# Altium PCB LARIX_V5.PcbDoc (part 1 of 2)
Units mil, origin at the board's own origin, x right, y up, seen from the top; angles counter-clockwise.
Board outline 4291.67 x 4291.67 mil, 4 copper layers (Top, VCC_VDD, PGND_DGND, Bottom), stack 64.961 mil thick; 174 components, 176 nets, 678 pads, 226 vias.
Unrouted connection lines stored in the file: 1.
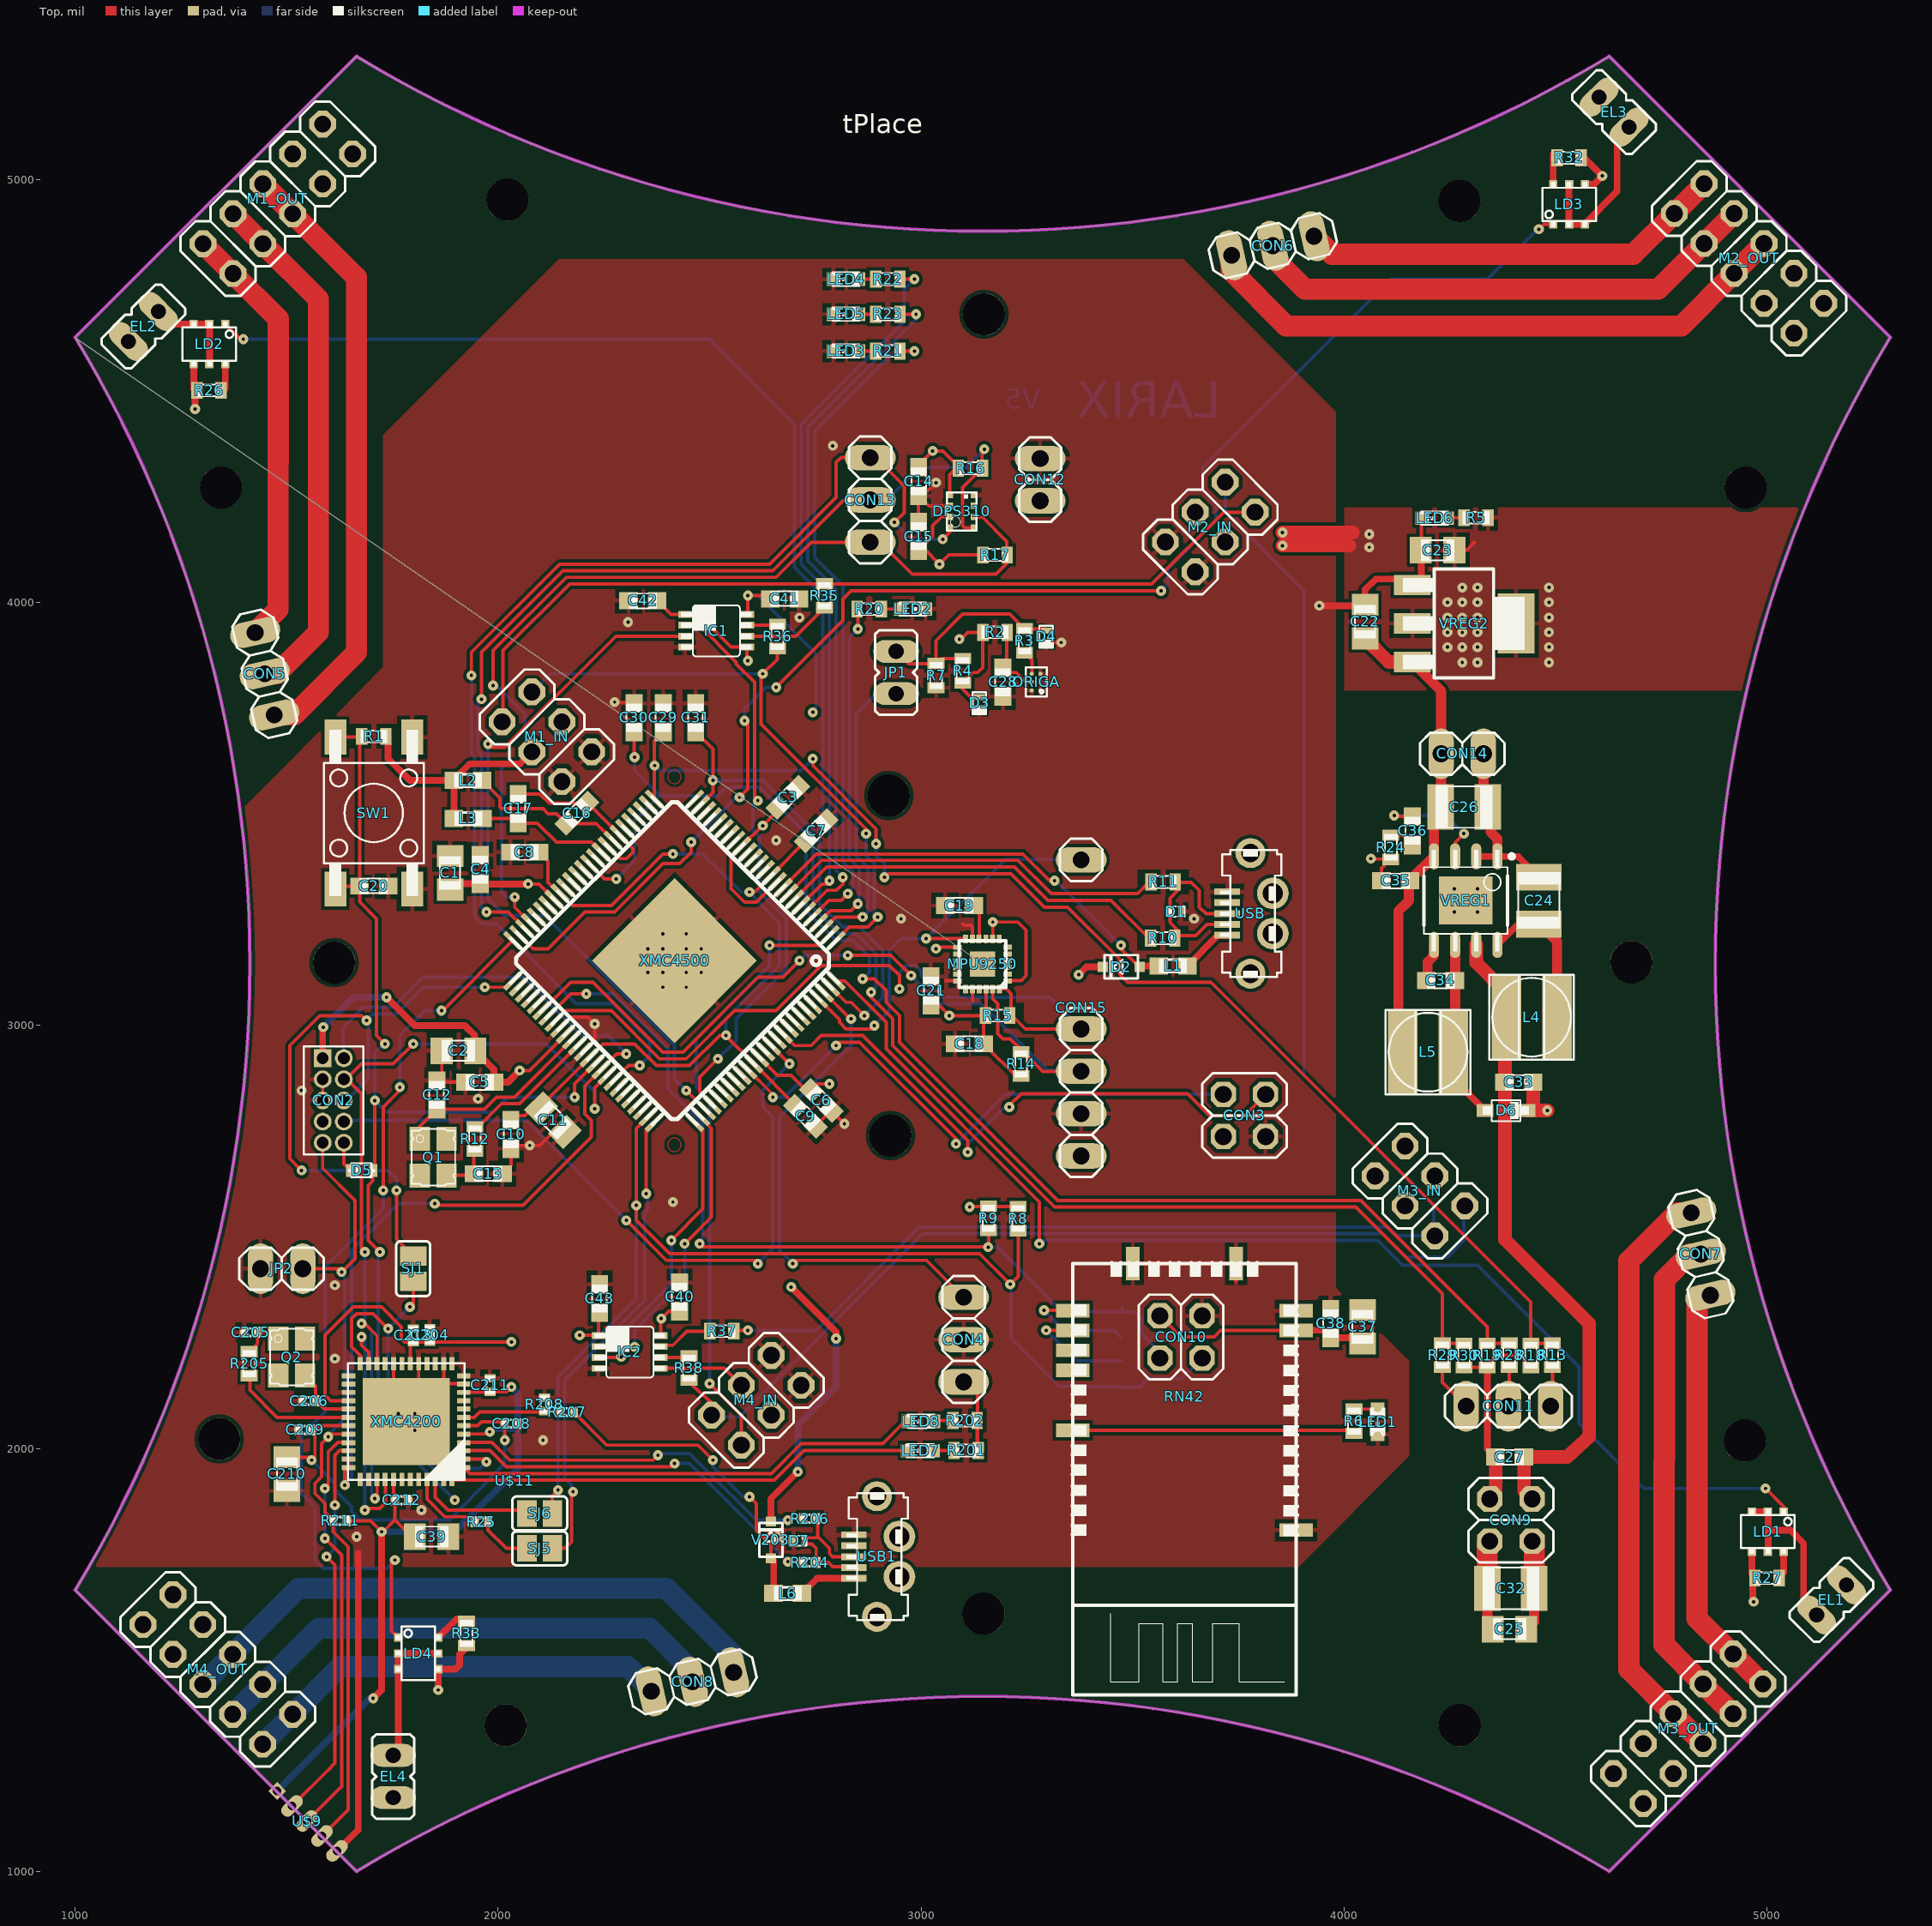
[diagram p0: Top view]
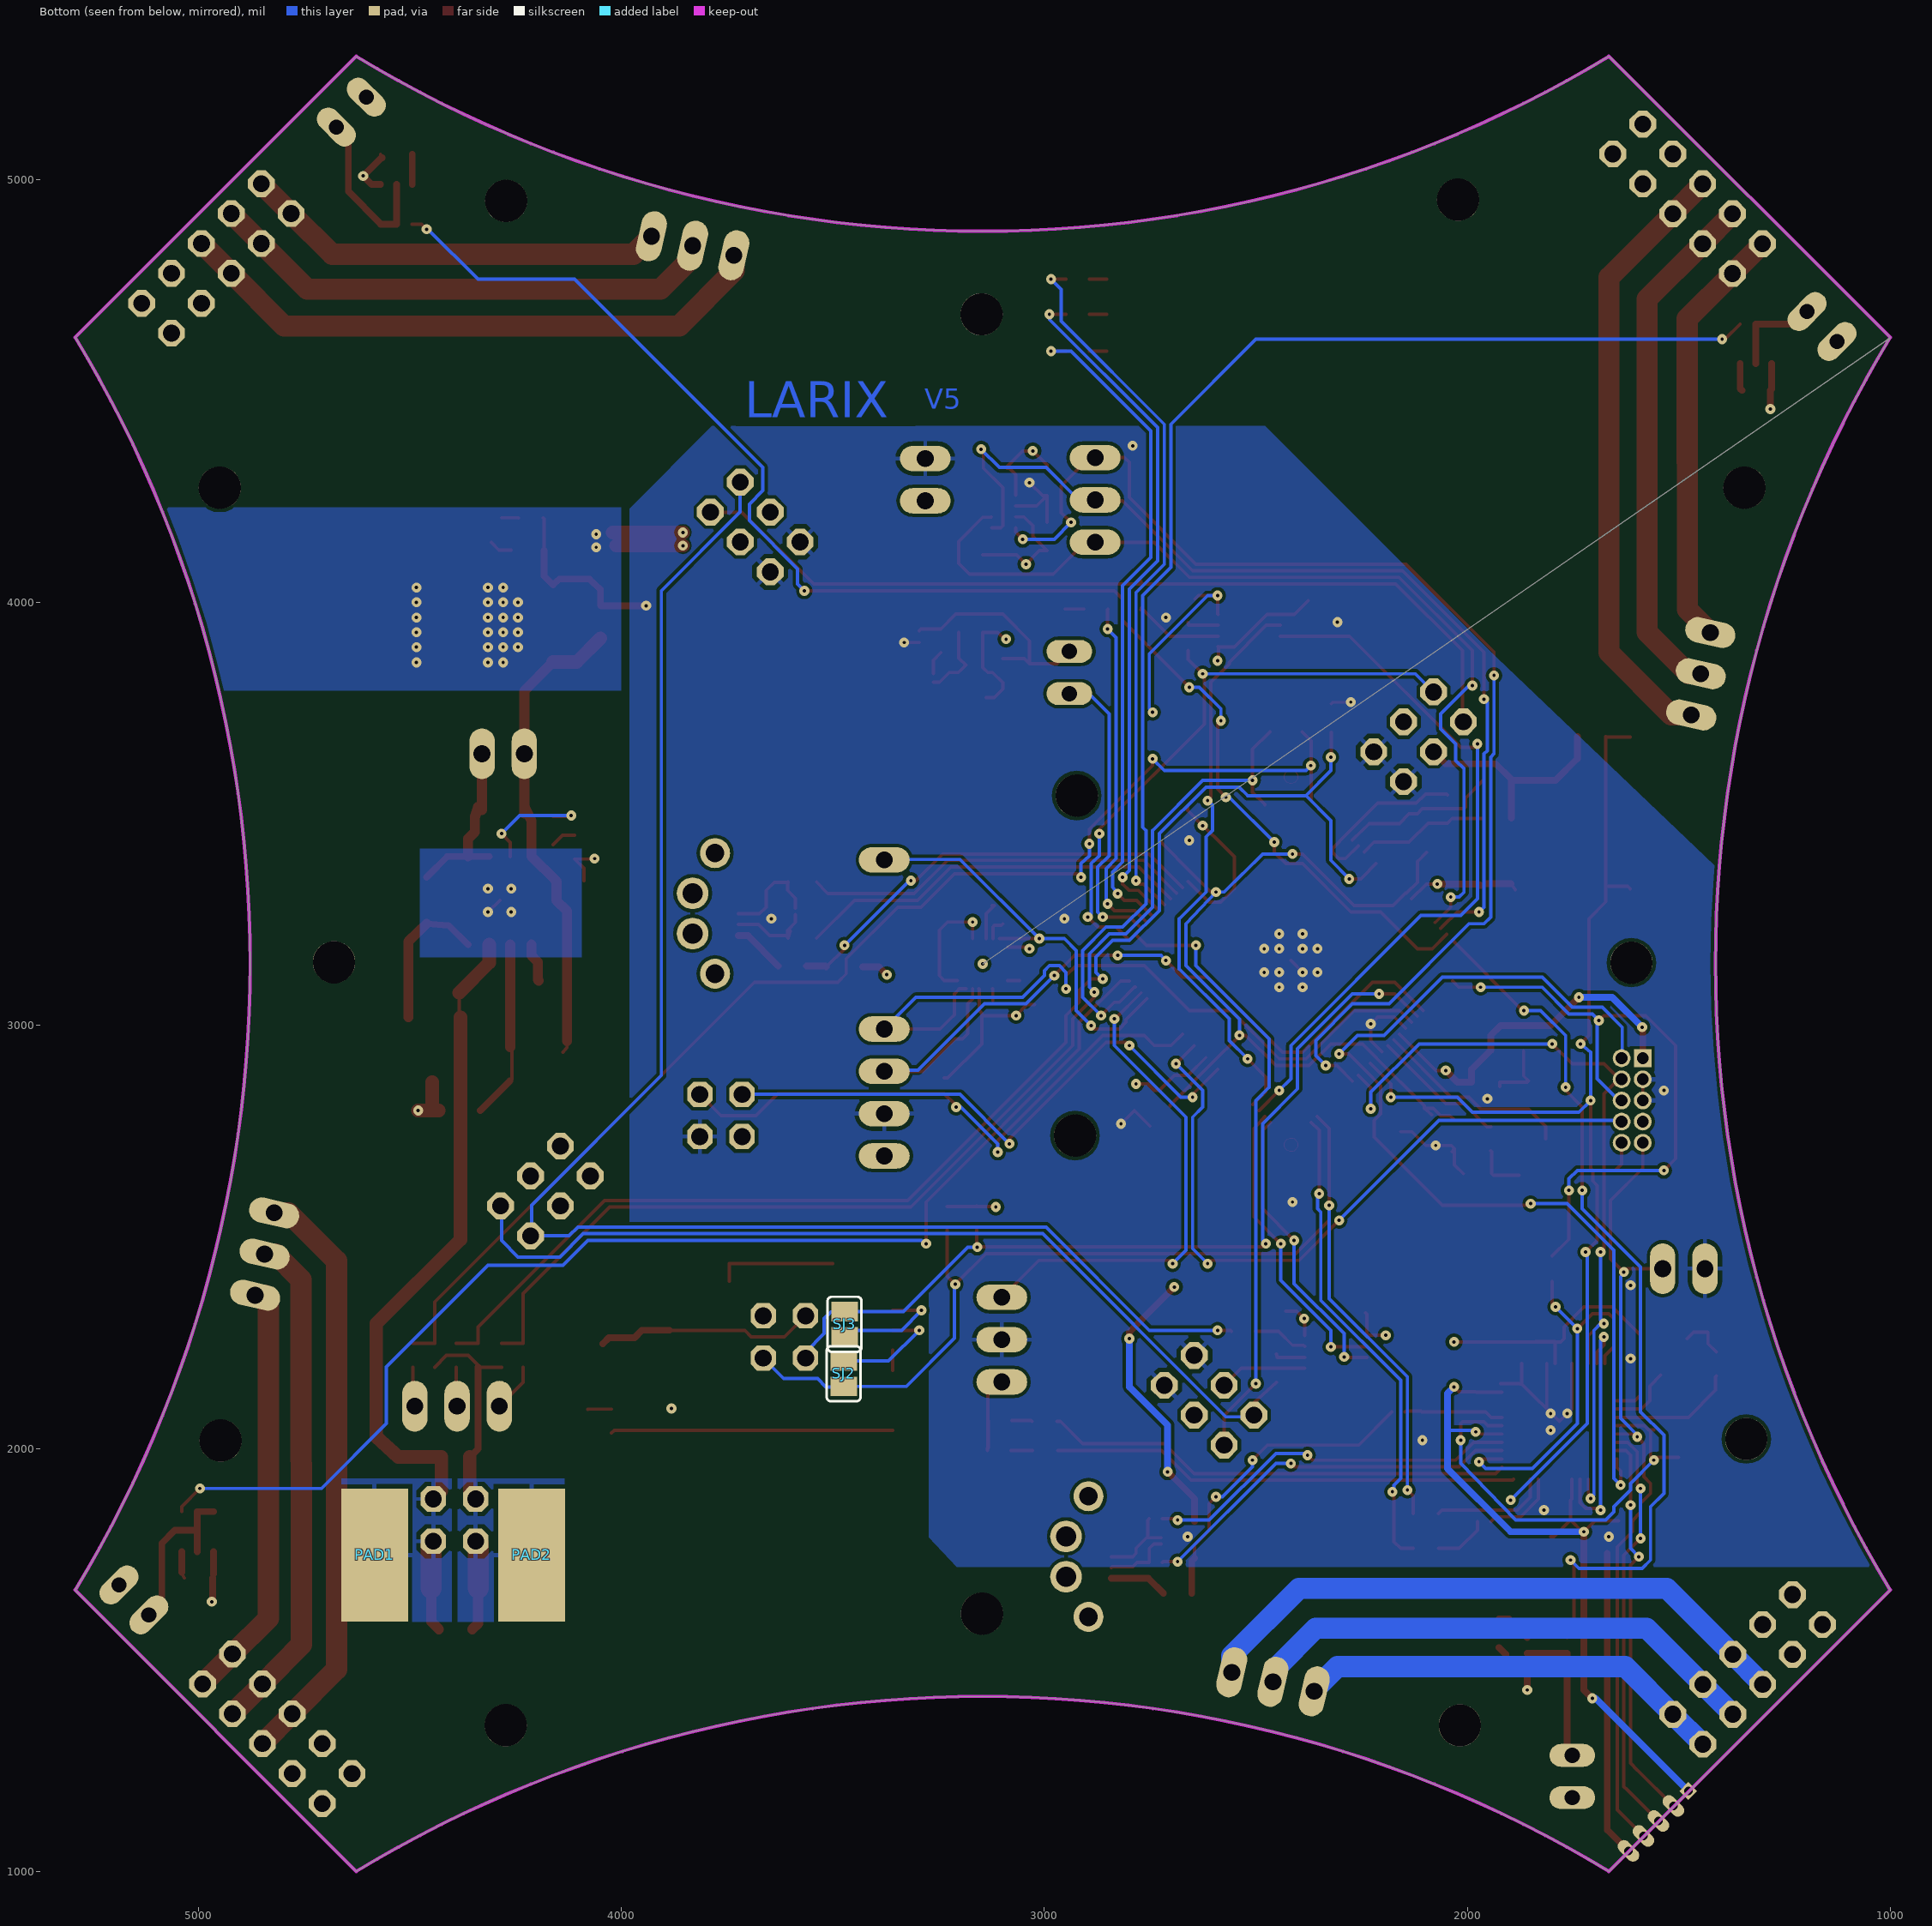
[diagram p1: Bottom view, seen from below]
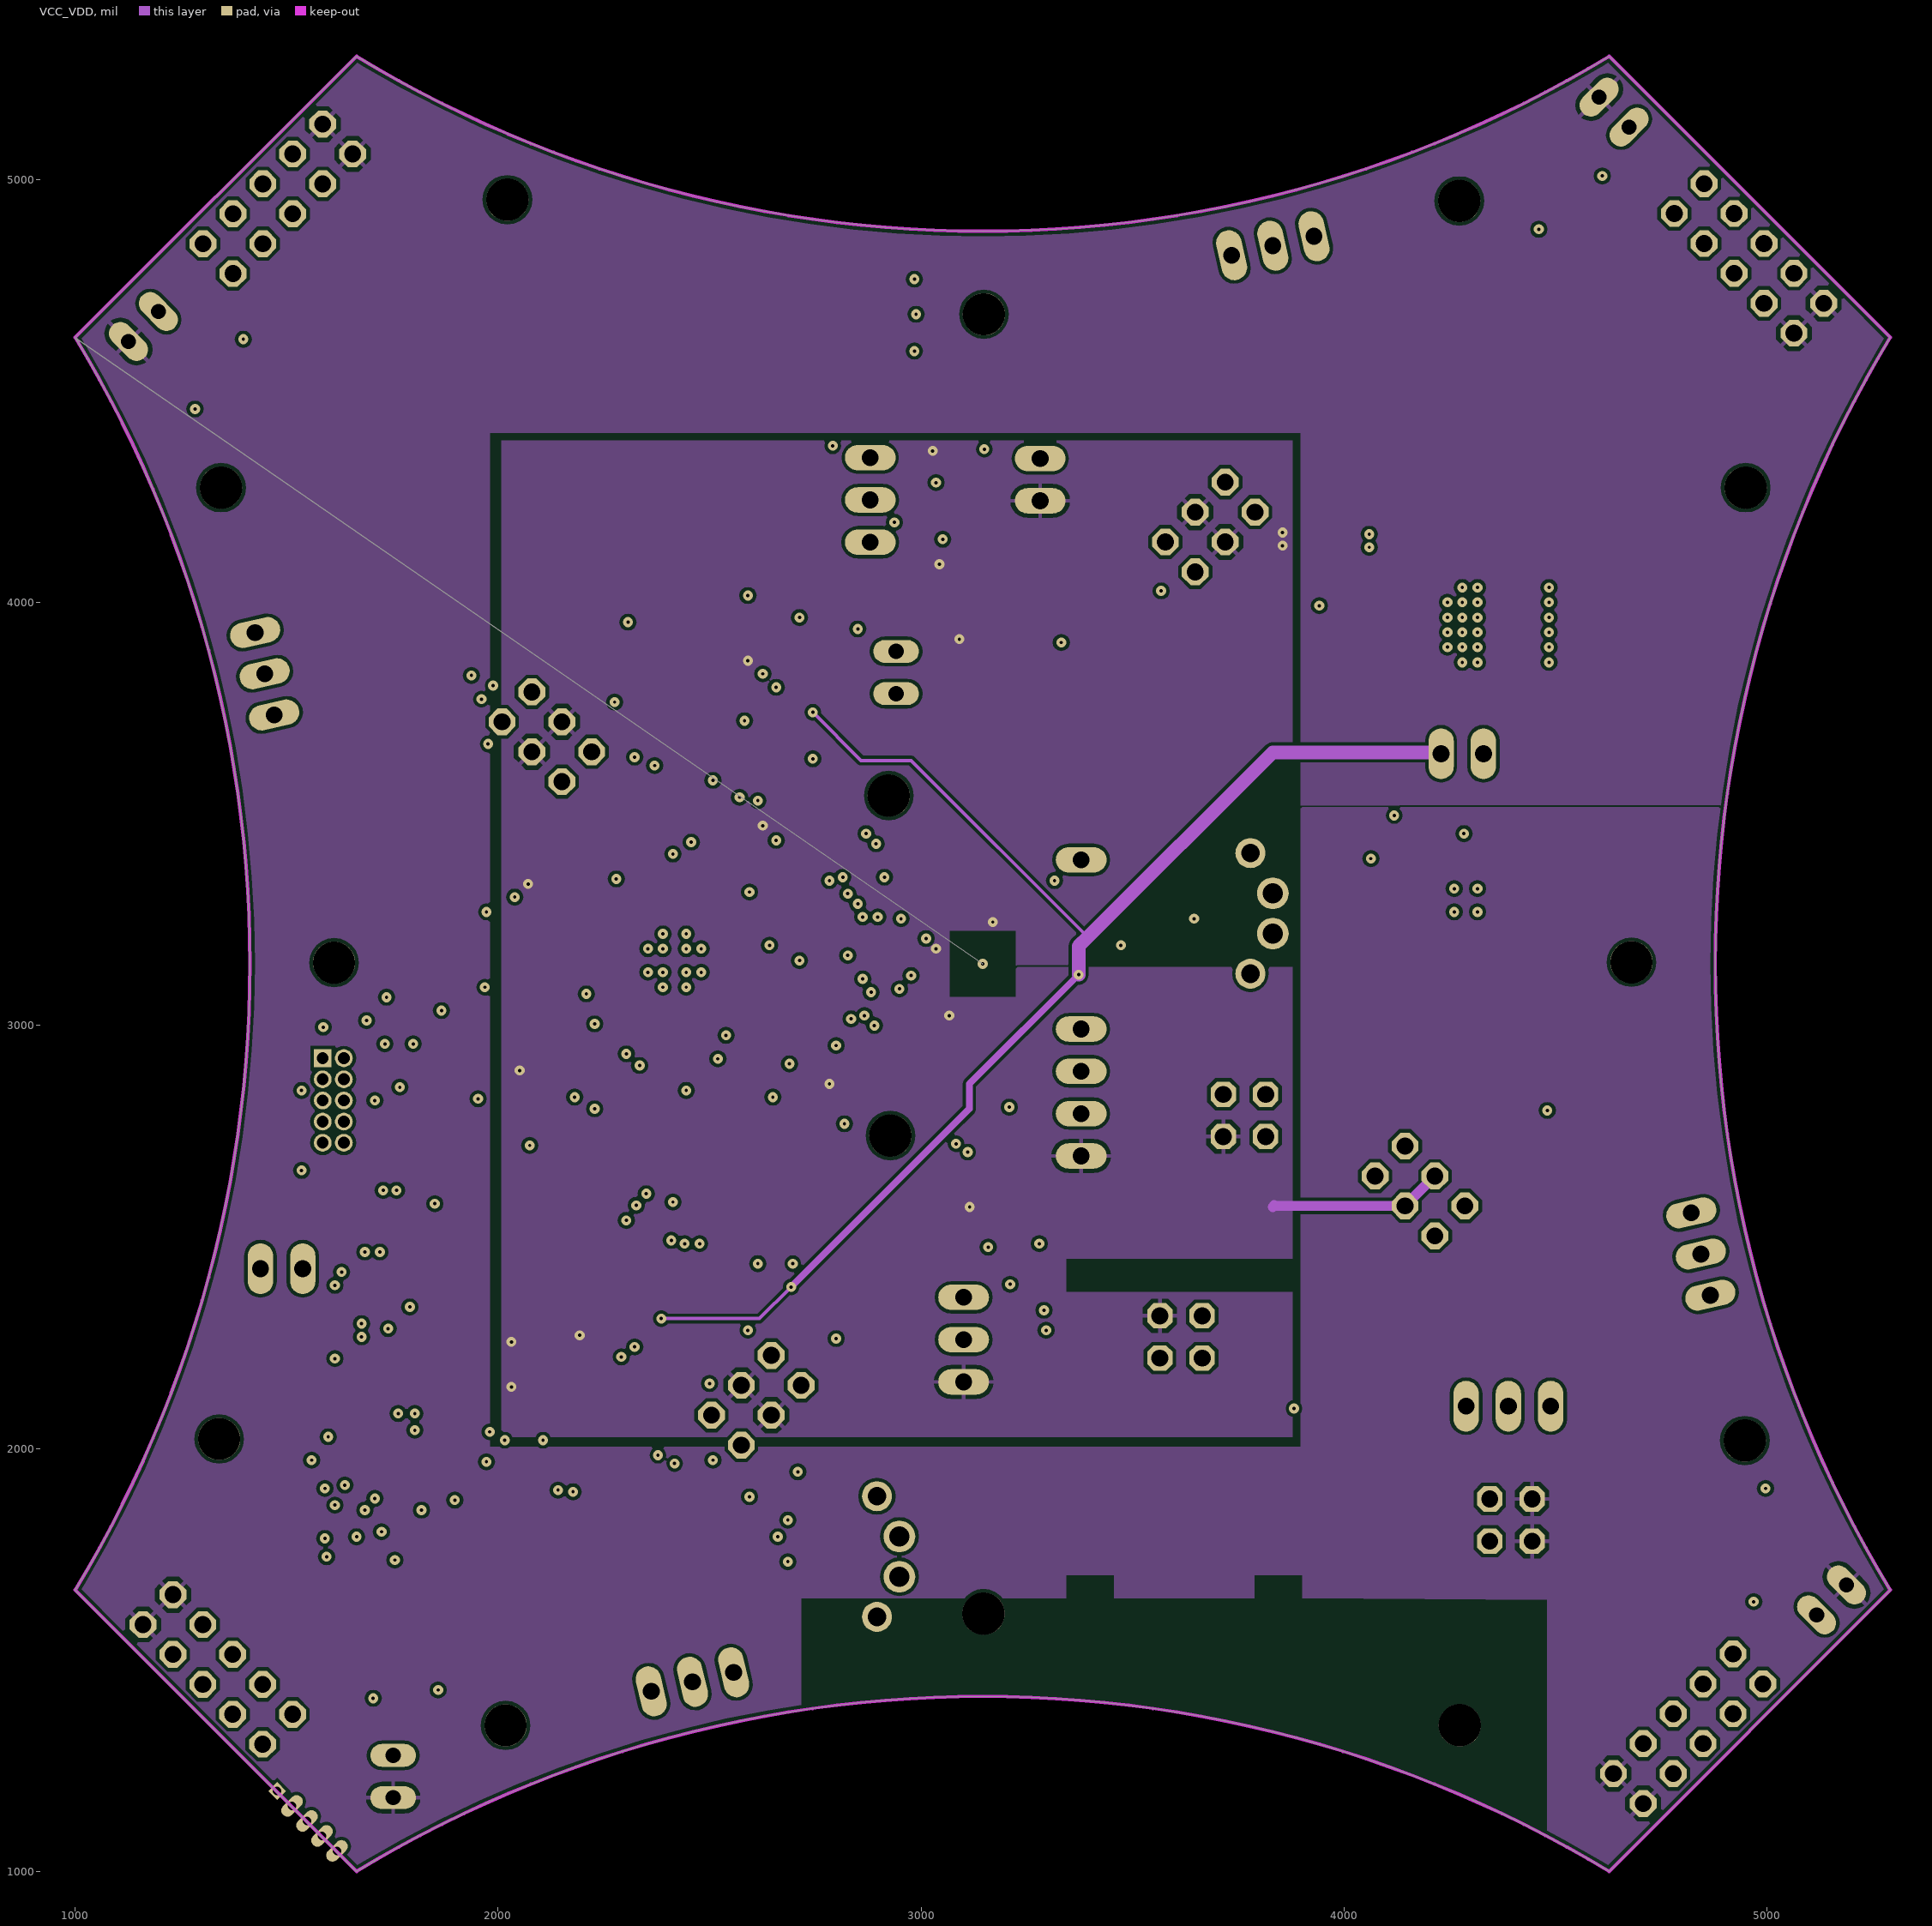
[diagram p2: VCC_VDD]